# Altium PCB S6 V1.2.PcbDoc (part 1 of 3) (continued)
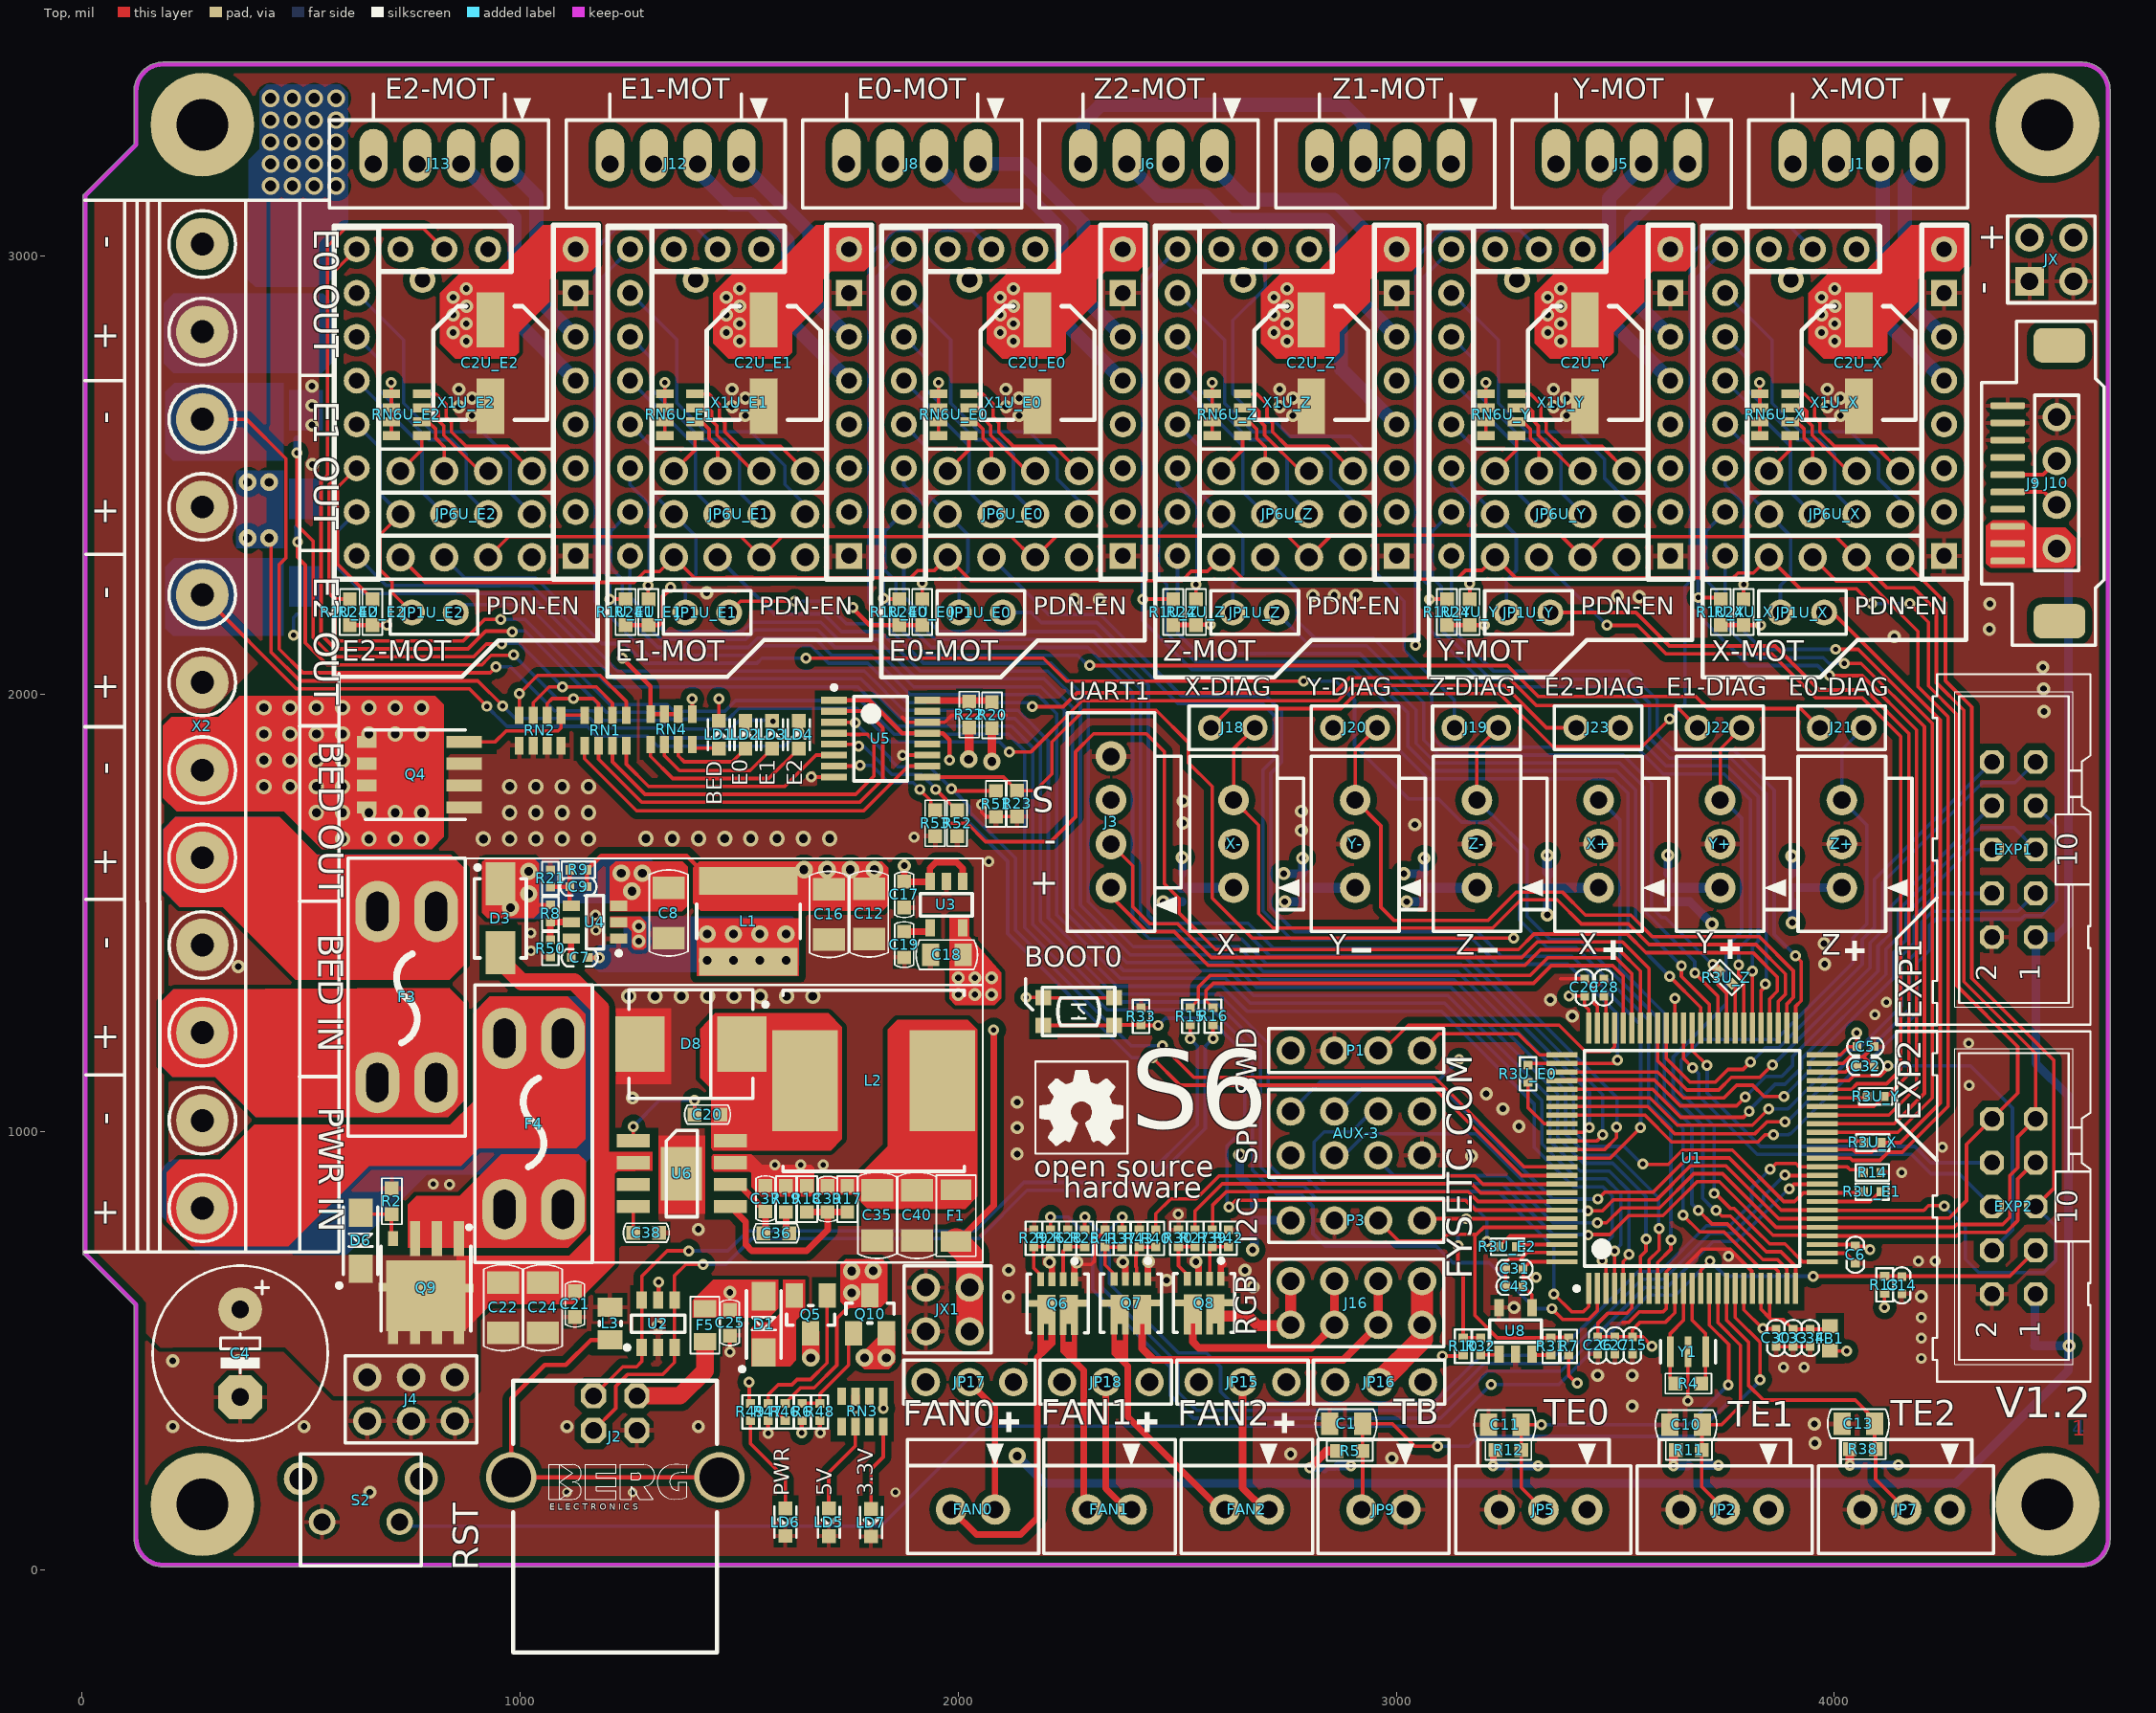
[diagram p0: Top view]
## Footprints (in the part's own frame and the unit in brackets; to place one, negate y for a bottom-side part, rotate by r counter-clockwise, add the part's x,y. Pads: shape width x height; smd on the part's side, far side on the other; paste and mask are expansions set on the pad) (continued)
  silkscreen extent -1.27,-1.27 8.89,3.81, body extent -1.27,-1.25 8.79,3.79, height 8.3
"HEADER 3x4" [mm]
  round 1.65 hole 1.02: 1(0,-2.5) 2(2.54,-2.5) 3(5.08,-2.5) 4(7.62,-2.5) 5(0,-5) 6(2.54,-5) 7(5.08,-5) 8(7.62,-5) 9(0,0) 10(2.54,0) 11(5.08,0) 12(7.62,0)
  silkscreen extent -1.27,-6.27 8.89,1.27, body extent -1.27,-6.25 8.79,1.25, height 8.3
Jumper2 [mm]
  rect 0.6x1 smd: 1(-0.838,0) 2(0,0)
  silkscreen extent -1.37,-0.74 0.53,0.74
L0603 [mm] "Chip Inductor, Body 1.6x0.8mm, IPC High Density"
  rect 0.8x0.9 smd: 1(-0.7,0) 2(0.7,0)
  silkscreen extent -0.21,-0.5 0.21,0.5, body extent -0.81,-0.4 0.79,0.4, height 0.6
L0805 [mm]
  rect 1.1x1.45 smd: 1(-0.95,0) 2(0.95,0)
  silkscreen extent -0.13,-0.64 0.13,0.64, body extent -1,-0.6 1,0.65, height 0.44
LED0603 [mm]
  rect 0.8x0.8 smd: 1(0,0.8) 2(0,-0.8)
  silkscreen extent -0.64,-0.89 0.64,0.89, body extent -0.37,-0.81 0.36,0.84, height 0.68
NRS6045 [mm]
  rect 1.6x5.7 smd: 1(-2.35,0) 2(2.35,0)
  silkscreen extent -1,-3 1,3, body extent -3,-3 3,3, height 4.5
NXP_LFPAK56 [mm] "NXP LFPAK 5x6 mm"
  rect 0.7x2.032 smd paste-0.05: 1(-1.905,-2.825) 2(-0.635,-2.825) 3(0.635,-2.825) 4(1.905,-2.825)
  rect 0.7x1.15 smd paste-0.05: 5(1.905,2.825) 6(0.635,2.825) 7(-0.635,2.825) 8(-1.905,2.825)
  Top region: -2.35,1.9 -2.1,1.9 -2.1,-1.2 2.1,-1.2 2.1,1.9 2.35,1.9 2.35,3.4 -2.35,3.4
  silkscreen extent -2.6,-2.9 2.6,2.9, body extent -2.45,-3.2 2.45,3.22, height 1.2
PAD-JUMPER-3-2OF3_NC_BY_PASTE_YES_SILK_FULL_BOX [mil]
  rect 25x50 smd: 1(-32,0) 2(0,0) 3(32,0)
  silkscreen extent -60,-40 60,40
POWEREDI5 [mm]
  rect 1.4x1.39 smd: 1(-2.8,-0.985) 1(-2.8,0.985)
  rect 4.86x3.36 smd: 2(1.174,0)
  silkscreen extent -2.92,-2.05 3.3,2.29, body extent -3.3,-2.02 3.3,2.02, height 1.15
"RCL_E5-10,5 - 1/2" [mil]
  round 100 hole 40: 1(-100,0)
  oct 100x100 hole 40: 2(100,0)
  silkscreen extent -200,-200 200,200, body extent -197,-197 197,197, height 512
RES0402 [mm]
  rect 0.5x0.54 smd: 1(-0.5,0) 2(0.5,0)
  silkscreen extent -0.97,-0.48 0.97,0.48, body extent -0.5,-0.25 0.5,0.25, height 0.5
RES0603#1 [mm]
  rect 0.8x0.8 smd mask+0.1: 1(-0.75,0) 2(0.75,0)
  silkscreen extent -1.33,-0.58 1.33,0.58, body extent -0.8,-0.4 0.8,0.4, height 0.45
RES0603#2 [mm]
  rect 0.8x0.8 smd: 1(-0.75,0) 2(0.75,0)
  silkscreen extent -1.33,-0.58 1.33,0.58, body extent -0.8,-0.4 0.8,0.4, height 0.45
RES0805 [mm]
  rect 1x1.3 smd: 1(-0.958,0) 2(0.958,0)
  silkscreen extent -1.65,-0.84 1.65,0.84, body extent -1.03,-0.62 0.97,0.63, height 0.44
RES1206 [mm]
  rect 1.2x1.8 smd: 1(-1.5,0) 2(1.5,0)
  silkscreen extent -2.35,-1.15 2.35,1.15, body extent -1.6,-0.8 1.6,0.8, height 0.55
RESISTOR-DIL_CAY16 [mil]
  rect 20x40 smd: 1(-47.24,-34.45) 2(-15.75,-34.45) 3(16,-34.45) 4(48,-34.45) 5(48,35) 6(16,35) 7(-15.75,35) 8(-47.24,35)
  body extent -66,-35 66,34, height 24
SMC/DO-214AB [mm] "Molded Diode, 2-Leads, Body 6.85x5.90mm, IPC Low Density"
  rect 2.85x3.2 smd: 1(-2.95,0) 2(2.95,0)
  silkscreen extent -3.6,-3.15 4.44,3.15, body extent -3.77,-3.11 3.77,3.11, height 2.5
"SO8_WITH PAD" [mil]
  rect 75x30 smd: 1(-110.24,75) 2(-110.24,25) 3(-110.24,-25) 4(-110.24,-75) 5(111.22,-75) 6(111.22,-25) 7(111.22,25) 8(111.22,75)
  rect 94.49x122.05 smd: 9(-0.98,0)
  silkscreen extent -35,-98 35,98, body extent -118,-96 118,96, height 69
SOD123 [mm] "Molded Diode, 2-Leads, Body 3.70x1.70mm, IPC Medium Density"
  rect 1.65x1.4 smd: 1(1.625,0) 2(-1.625,0)
  silkscreen extent -2.72,-1 1.95,1.37, body extent -2.17,-1 2.17,1, height 1.35
SOT23-3 [mm] "SOT23, 3-Leads, Body 2.9x1.3mm, Pitch 0.95mm, Lead Span 2.5mm, IPC High Density"
  rect 1x1.4 smd: 1(0.95,1.1) 2(-0.95,1.1) 3(0,-1.1)
  silkscreen extent -1.4,-0.64 1.4,0.51, body extent -1.44,-1.45 1.46,1.35, height 1.07
SOT23-5 [mm] "SOT23, 3-Leads, Body 2.9x1.3mm, Pitch 0.95mm, Lead Span 2.5mm, IPC High Density"
  rect 0.55x1 smd: 1(-0.95,-1.35) 2(0,-1.35) 3(0.95,-1.35) 4(0.95,1.35) 5(-0.95,1.35)
  silkscreen extent -1.5,-0.65 1.5,0.65, body extent -1.4,-1.5 1.5,1.3, height 1.24
SOT23-6N [mm]
  rect 1x0.6 smd: 1(-1.375,0.95) 2(-1.375,0) 3(-1.375,-0.95) 4(1.375,-0.95) 5(1.375,0) 6(1.375,0.95)
  silkscreen extent -1.5,-1.55 0.5,1.92, body extent -1.5,-1.53 1.5,1.53, height 1.45
SSOP16 [mm]
  rect 1.5x0.4 smd: 1(-2.7,2.222) 2(-2.7,1.587) 3(-2.7,0.953) 4(-2.7,0.318) 5(-2.7,-0.318) 6(-2.7,-0.953) 7(-2.7,-1.587) 8(-2.7,-2.222) 9(2.7,-2.222) 10(2.7,-1.587) 11(2.7,-0.953) 12(2.7,-0.318) 13(2.7,0.318) 14(2.7,0.953) 15(2.7,1.587) 16(2.7,2.222)
  silkscreen extent -2.82,-2.45 1.55,3.1, body extent -3,-2.45 3,2.45, height 1.75
TMC_breakout [mm]
  round 1.51 hole 0.9: 1(0,0) 2(2.54,0) 3(5.08,0) 4(7.62,0) 5(10.16,0) 6(12.7,0) 7(15.24,0) 8(17.78,0) 10(15.24,12.7) 11(12.7,12.7) 12(10.16,12.7) 13(7.62,12.7) 14(5.08,12.7) 16(0,12.7) 17(0,2.54) 18(0,7.62) 18(1.778,3.81) 19(0,5.08)
  rect 1.51x1.51 hole 0.9: 9(17.78,12.7) 15(2.54,12.7)
  silkscreen extent -1.4,-1.3 19.13,14, body extent -1.27,-1.21 19.05,13.89, height 8.5
TSQFP50P1600X1600X120-100N [mm]
  rect 1.8x0.3 smd: 1(-7.55,6) 2(-7.55,5.5) 3(-7.55,5) 4(-7.55,4.5) 5(-7.55,4) 6(-7.55,3.5) 7(-7.55,3) 8(-7.55,2.5) 9(-7.55,2) 10(-7.55,1.5) 11(-7.55,1) 12(-7.55,0.5) 13(-7.55,0) 14(-7.55,-0.5) 15(-7.55,-1) 16(-7.55,-1.5) 17(-7.55,-2) 18(-7.55,-2.5) 19(-7.55,-3) 20(-7.55,-3.5) 21(-7.55,-4) 22(-7.55,-4.5) 23(-7.55,-5) 24(-7.55,-5.5) 25(-7.55,-6) 51(7.55,-6) 52(7.55,-5.5) 53(7.55,-5) 54(7.55,-4.5) 55(7.55,-4) 56(7.55,-3.5) 57(7.55,-3) 58(7.55,-2.5) 59(7.55,-2) 60(7.55,-1.5) 61(7.55,-1) 62(7.55,-0.5) 63(7.55,0) 64(7.55,0.5) 65(7.55,1) 66(7.55,1.5) 67(7.55,2) 68(7.55,2.5) 69(7.55,3) 70(7.55,3.5) 71(7.55,4) 72(7.55,4.5) 73(7.55,5) 74(7.55,5.5) 75(7.55,6)
  rect 0.3x1.8 smd: 26(-6,-7.55) 27(-5.5,-7.55) 28(-5,-7.55) 29(-4.5,-7.55) 30(-4,-7.55) 31(-3.5,-7.55) 32(-3,-7.55) 33(-2.5,-7.55) 34(-2,-7.55) 35(-1.5,-7.55) 36(-1,-7.55) 37(-0.5,-7.55) 38(0,-7.55) 39(0.5,-7.55) 40(1,-7.55) 41(1.5,-7.55) 42(2,-7.55) 43(2.5,-7.55) 44(3,-7.55) 45(3.5,-7.55) 46(4,-7.55) 47(4.5,-7.55) 48(5,-7.55) 49(5.5,-7.55) 50(6,-7.55) 76(6,7.55) 77(5.5,7.55) 78(5,7.55) 79(4.5,7.55) 80(4,7.55) 81(3.5,7.55) 82(3,7.55) 83(2.5,7.55) 84(2,7.55) 85(1.5,7.55) 86(1,7.55) 87(0.5,7.55) 88(0,7.55) 89(-0.5,7.55) 90(-1,7.55) 91(-1.5,7.55) 92(-2,7.55) 93(-2.5,7.55) 94(-3,7.55) 95(-3.5,7.55) 96(-4,7.55) 97(-4.5,7.55) 98(-5,7.55) 99(-5.5,7.55) 100(-6,7.55)
  silkscreen extent -7.67,-6.25 6.25,6.82, body extent -8.01,-8.01 8.01,8.01, height 1.1

## Part data
AUX-3 J16: "Header, 4-Pin, Dual row", LatestRevisionDate=17-Jul-2002, LatestRevisionNote="Re-released for DXP Platform.", Publisher="Altium Limited"
C1 C7 C9 C10 C11 C12 C13 C14 C16 C17 C18 C19 C20 C21 C22 C24 C26 C27 C28 C32 C34 C35 C36 C37 C38 C39 C40 C43: library part Library_CAP-0008, "RO C0G 22pF 2% 50V  0603", Faber ItemCode=35321100, ID=Library_CAP-0008
C2U_E0 C2U_E1 C2U_E2 C2U_X C2U_Y C2U_Z C8: library part Capacitor
C4: library part Library_CAP-0004, "RO ELCO 100uF 20% 35V CASE-D EEEFP PAN", Faber ItemCode=36865800, ID=Library_CAP-0004
C5 C6 C15 C25 C29 C30 C31 C33: library part Library_CAP-0002, "RO X7R 100nF 10% 50V 0603", Faber ItemCode=45068500, ID=Library_CAP-0002
D1: "RO DIODE S1G DO-214AC", Faber ItemCode=32284000, ID=Library_DIO-0001, Info="Fast Rectifiers 1A 400V"
D3 D8: library part Diode, "Default Diode", Code_JEDEC=DO-214-AB, LatestRevisionDate=17-Jul-2002, LatestRevisionNote="Re-released for DXP Platform.", PackageDescription="DO-214-AB/SMC; 2 C-Bend Leads; Body 7.9 x 5.9 mm, inc. leads (LxW)", PackageReference=SMC, PackageVersion=Sep-1996, Published=8-Jun-2000, Publisher="Altium Limited"
D6 D10: "RO DIODE SSB44-E3/52T SMB VISHAY", Faber ItemCode=36925500, ID=Library_DIO-0003, Info="High-Current Density Surface Mount Schottky Rectifier", Mfg=VISHAY, Mfg code=SSB44-E3/52T
EXP1 EXP2: "Header, 5-Pin, Dual row", LatestRevisionDate=17-Jul-2002, LatestRevisionNote="Re-released for DXP Platform.", Publisher="Altium Limited"
F1 F3 F4: library part "Fuse 2", "Fuse", LatestRevisionDate=17-Jul-2002, LatestRevisionNote="Re-released for DXP Platform.", PackageDescription="Thru-Hole; 2 Leads", PackageReference=PIN-W2/E2.8, Published=8-Jun-2000, Publisher="Altium Limited"
F5: library part Library_FUSE-0001, "RO ZEK MULTI 500MA SMD 1812 MF-MSMF050-2 BOURNS", Faber ItemCode=35502800, ID=Library_FUSE-0001, Info="MULTIFUSE, SMD, 0.5A", Mfg=BOURNS, Mfg code=MF-MSMF050-2
FAN0 FAN1 FAN2 J18 J19 J20 J21 J22 J23 JP1U_E0 JP1U_E1 JP1U_E2 JP1U_X JP1U_Y JP1U_Z JP4 JP9 JP11 JP12 JP13 JP14: "Header, 2-Pin", LatestRevisionDate=17-Jul-2002, LatestRevisionNote="Re-released for DXP Platform.", Publisher="Altium Limited"
FB1: library part FERRITE_120R-100MHz_0603, "FERRITE BEAD 120 OHM 0603 1LN", Current=900mA, Current Rating=2A, DC Resistance (DCR)="172.9 mOhm Max", Frequency - Self Resonant=23MHz, Frequency - Test=100kHz, Impedance @ Frequency="120 Ohm @ 100MHz", Manufacturer 1="Murata Electronics North America", Manufacturer Part Number 1=BLM18PG121SN1D, Operating Temperature="-40°C ~ 105°", Package / Case="1210 (3225 Metric)", Ratings="2 A; 50 mO DC", Supplier Part Number 1=490-1037-1-ND, Applications="Power Supplies", ComponentLink1Description=http://www.yuden.co.jp/ut/product/pdf/wound02_e.pdf, ComponentLink1URL=http://www.yuden.co.jp/ut/product/pdf/wound02_e.pdf, ComponentLink2Description=http://search.murata.co.jp/Ceramy/image/img/PDF/ENG/L0110S0100BLM18P.pdf, ComponentLink2URL=http://search.murata.co.jp/Ceramy/image/img/PDF/ENG/L0110S0100BLM18P.pdf, Current - Saturation=900mA, Current - Temperature Rise=900mA, Filter Type="Differential Mode - Single", Height (Max)="0.037\" (0.95mm)", Mounting Type="Surface Mount", Note="Approved sub OK", Number of Lines=1, SCDType=source, Size / Dimension="0.063\" L x 0.031\" W (1.60mm x 0.80mm)", Supplier 1=Digi-Key
J1 J5 J6 J7 J8 J12 J13: library part "Header 4", "Header, 4-Pin", LatestRevisionDate=17-Jul-2002, LatestRevisionNote="Re-released for DXP Platform.", Publisher="Altium Limited"
J2: library part CON-BERG_PN61729-S, OC_FARNELL=unknown, OC_NEWARK=unknown
J3 J10 P1 P3: "Header, 4-Pin", LatestRevisionDate=17-Jul-2002, LatestRevisionNote="Re-released for DXP Platform.", Publisher="Altium Limited"
J4: "Header, 3-Pin, Dual row", LatestRevisionDate=17-Jul-2002, LatestRevisionNote="Re-released for DXP Platform.", Publisher="Altium Limited"
J9: "Header, 10-Pin", LatestRevisionDate=17-Jul-2002, LatestRevisionNote="Re-released for DXP Platform.", Publisher="Altium Limited"
JP2 JP5 JP7 JP15 JP16 JP17 JP18 X+ X- Y+ Y- Z+ Z-: "Header, 3-Pin", LatestRevisionDate=17-Jul-2002, LatestRevisionNote="Re-released for DXP Platform.", Publisher="Altium Limited"
JX JX1: "Header, 2-Pin, Dual row", LatestRevisionDate=17-Jul-2002, LatestRevisionNote="Re-released for DXP Platform.", Publisher="Altium Limited"
L1 L2: library part Inductor, "Inductor", Code_IEC=1005, Code_JEITA=0402, LatestRevisionDate=29-May-2009, LatestRevisionNote="IPC-7351 Footprint Added.", PackageDescription="Chip Inductor", PackageReference=0402-A, Published=8-Jun-2000, Publisher="Altium Limited"
L3: library part Library_COIL-0001, "RO FERRIET BLM21PG221SN1D  0805", Faber ItemCode=36571200, ID=Library_COIL-0001
Q1 Q2 Q3 Q4: "IRF8736PBF - MOSFET, N SO-8", Faber ItemCode=36926000, ID=LIBRARY_FET-0002, Info="HEXFET Power MOSFET", Mfg="INTERNATIONAL RECTIFIER", Mfg code=IRF8736PBF
Q6 Q7 Q8: library part IRF7103, "HEXFET Power MOSFET", Code_IPC=SOIC127P600-8, Code_JEDEC=MS-012-AA, ComponentLink1Description="Manufacturer Link", ComponentLink1URL=http://www.irf.com/, ComponentLink2Description=Datasheet, ComponentLink2URL=http://www.irf.com/product-info/datasheets/data/irf7103.pdf, DatasheetVersion=Aug-1997, LatestRevisionDate=13-Apr-2006, LatestRevisionNote="IPC-7351 Footprint Added.", PackageDescription="8-Pin Plastic Small Outline Integrated Circuit 1.27 mm Pitch", PackageReference=SO-8, PackageVersion=Feb-2001, Published=8-Jun-2000, Publisher="Altium Limited"
Q9: library part SI7157DP, "PFET Power SO8", Manufacturer=Vishay, Temp_ Max=150, Temp_ Min=-55, ID=60A, OrderingCode=SI7157DP-T1-GE3, Part Number=SI7157DP, Price (€)=0,605, Vds=20V, Vgss=12V
R1U_E0 R1U_E1 R1U_E2 R1U_X R1U_Y R1U_Z R3U_E0 R3U_E1 R3U_E2 R3U_X R3U_Y R3U_Z R24U_E0 R24U_E1 R24U_E2 R24U_X R24U_Y R24U_Z: "RO RES 1k0 1% 0,1W  0603", Faber ItemCode=34637900, ID=Library_RES-0004, Info=Resistor
R2 R5 R7 R9 R10 R11 R12 R13 R17 R18 R19 R20 R21 R22 R23 R31 R32 R33 R38 R51 R52 R53: library part Library_RES-0001, "RO RES 10k0 1% 0,063W  0603", Faber ItemCode=36084500, ID=Library_RES-0001, Info=Resistor
R4: library part Library_RES-0003, "RO RES 1M0 1% 0,1W 0603", Faber ItemCode=36059900, ID=Library_RES-0003, Info=Resistor
R6 R14 R15 R16 R46 R47 R48: library part Library_RES-0007, "RO RES 22E0 1% 0,063W 0603", Faber ItemCode=36108300, ID=Library_RES-0007, Info=Resistor
R8 R25 R26 R27 R28 R29 R30 R37 R39 R40 R41 R42 R43 R50: library part Resistor
R49: library part Library_RES-0004, "RO RES 1k0 1% 0,1W  0603", Faber ItemCode=34637900, ID=Library_RES-0004, Info=Resistor
RN1 RN2 RN3 RN4: library part RESISTOR-DIL_4R-NCAT16, OC_FARNELL=unknown, OC_NEWARK=unknown
RN6U_E0 RN6U_E1 RN6U_E2 RN6U_X RN6U_Y RN6U_Z: library part RESISTOR-DIL_4R-NCAY16, OC_FARNELL=unknown, OC_NEWARK=unknown
S2: library part SW-PB, "SWITCH TACTILE SPST-NO 0.05A 12V", Supplier Part Number 1=679-2396-1-ND, Note="Approved sub OK", Supplier 1=Digi-Key
U1: "Imported", Manufacturer_Part_Number=stm32f4xxv1, C="Copyright (C) 2016 Accelerated Designs. All rights reserved", Copyright="Copyright (C) 2016 Accelerated Designs. All rights reserved", RefDes=RefDes, Type=Type, Vendor=STMicroelectronics
U3: library part RT9193-XXXX
U8: library part "EEPROM - Serial I2C", "IC EEPROM 16K I2C SOT23-5", Note=DNP, Supplier 1=Digi-Key, Supplier Part Number 1=24LC16BT-I/OTCT-ND
X1U_E0 X1U_E1 X1U_E2 X1U_X X1U_Y X1U_Z: library part TMC_BREAKOUT
X2: library part CON-PHOENIX-508_MKDSN1,5/12-5,08, MPN=SMKDSN1,5/10-5,08, OC_FARNELL=1792913, OC_NEWARK=70R0297
Y1: library part XTAL-3, "RO KRIS 16MHz CSTCE16M0V53-R0 SMD MURATA", Faber ItemCode=36925600, ID=LIBRARY_XTAL-0002, Info="Build in cap", Mfg=MURATA, Mfg code=CSTCE16M0V53-R0

## Free pads (board coordinates)
  round 236.22 hole 118.11: 4(274.41,150) 5(274.41,3299.61) 6(4487.01,3299.61) 7(4487.01,150)

## Via types
v1: diameter 25, hole 12, Top to Bottom, tented both sides, 192 vias
v2: diameter 30, hole 15, Top to Bottom, tented both sides, 157 vias
v3: diameter 35, hole 20, Top to Bottom, tented both sides, 60 vias
v4: diameter 40, hole 20, Top to Bottom, tented both sides, 31 vias
v5: diameter 40, hole 25, Top to Bottom, tented both sides, 20 vias
v6: diameter 22, hole 12, Top to Bottom, tented both sides, 3 vias

## Nets (pads, with @x,y where several pads share a name; then routed paths per layer and width w, separated by ;. In a path a pad name is that pad's centre, name@x,y a point inside that pad or via, vN(x,y) a via of type N, cw(c..) or ccw(c..) an arc to the next point about the centre after c; other vN are vias at no path point)
1AU_E0: J8.3 X1U_E0.12 | length 985
  GND w32: J8.3@1845,3210.32 1922.32,3133 2212.61,3133 2285.9,3059.71 2285.9,2705.32 X1U_E0.12@2375.9,2615.32
1AU_E1: J12.3 X1U_E1.12 | length 900
  GND w32: J12.3@1305,3210.32 1377.32,3138 1582.61,3138 1660.9,3059.71 1660.9,2705.32 X1U_E1.12@1750.9,2615.32
1AU_E2: J13.3 X1U_E2.12 | length 822.9
  GND w32: J13.3@765,3210 765,3198 824,3139 954.4,3139 976.4,3117 979.61,3117 1036.9,3059.71 1036.9,2705.32 X1U_E2.12@1126.9,2615.32
1AU_X: J1.3 X1U_X.12 | length 696.5
  GND w32: J1.3@4005,3210 4160.9,3054.1 4160.9,2705.32 X1U_X.12@4250.9,2615.32
1AU_Y: J5.3 X1U_Y.12 | length 661.6
  GND w32: J5.3@3465,3210.32 3535.9,3139.42 3535.9,2705.32 X1U_Y.12@3625.9,2615.32
1AU_Z: J6.3 X1U_Z.12 | length 1039.9
  Bottom w32: J6.3@2385,3210 2458,3137 2563.6,3137 2618.6,3082 2837.6,3082 2874,3045.6 2874,2742.22 X1U_Z.12@3000.9,2615.32
1BU_E0: J8.4 X1U_E0.11 | length 1150.2
  GND w32: J8.4@1745,3210.32 1864.32,3091 2195.22,3091 2235.9,3050.32 2235.9,2655.32 X1U_E0.11@2375.9,2515.32
1BU_E1: J12.4 X1U_E1.11 | length 1072.4
  GND w32: J12.4@1205,3210.32 J12.4@1205,3210 1205,3198 1307.31,3095.69 1565.53,3095.69 1610.9,3050.32 1610.9,2656.9 1750.9,2516.9 X1U_E1.11@1750.9,2515.32
1BU_E2: J13.4 X1U_E2.11 | length 985.2
  GND w32: J13.4@665,3210 665,3199.73 767.73,3097 937,3097 986.9,3047.1 986.9,2658.1 1126.9,2518.1 X1U_E2.11@1126.9,2515.32
1BU_X: J1.4 X1U_X.11 | length 855.5
  GND w32: J1.4@3905,3210 4009.68,3105.32 4039.7,3105.32 4110.9,3034.11 4110.9,2655.32 X1U_X.11@4250.9,2515.32
1BU_Y: J5.4 X1U_Y.11 | length 803.1
  GND w32: J5.4@3365,3210.32 3485.9,3089.42 3485.9,2655.32 X1U_Y.11@3625.9,2515.32
1BU_Z: J7.4 X1U_Z.11 | length 767.5
  GND w32: J7.4@2825,3210 2875,3160 2875,2641.22 X1U_Z.11@3000.9,2515.32
2AU_E0: J8.2 X1U_E0.13 | length 755.3
  Bottom w32: J8.2@1945,3210.32 2017.32,3138 2157,3138 2235.9,3059.1 2235.9,2855.32 X1U_E0.13@2375.9,2715.32
2AU_E1: J12.2 X1U_E1.13 | length 664.6
  Bottom w32: J12.2@1405,3210.32 J12.2@1405,3210 1405,3195 1482.2,3117.8 1527.22,3117.8 1610.9,3034.11 1610.9,2855.32 X1U_E1.13@1750.9,2715.32
2AU_E2: J13.2 X1U_E2.13 | length 603.2
  Bottom w32: J13.2@865,3210 986.9,3088.1 986.9,2855.32 X1U_E2.13@1126.9,2715.32
2AU_X: J1.2 X1U_X.13 | length 555.1
  Bottom w32: J1.2@4105,3210 4110.9,3204.1 4110.9,2855.32 X1U_X.13@4250.9,2715.32
2AU_Y: J5.2 X1U_Y.13 | length 585.8
  Bottom w32: J5.2@3565,3210.32 3485.9,3131.22 3485.9,2855.32 X1U_Y.13@3625.9,2715.32
2AU_Z: J7.2 X1U_Z.13 | length 567.5
  GND w32: X1U_Z.13@3000.9,2715.32 2925,2791.22 2925,3110 J7.2@3025,3210
2BU_E0: J8.1 X1U_E0.14 | length 593.4
  Bottom w32: J8.1@2045,3210.32 2149.68,3210.32 2285.9,3074.1 2285.9,2905.32 X1U_E0.14@2375.9,2815.32
2BU_E1: J12.1 X1U_E1.14 | length 496.9
  Bottom w32: J12.1@1505,3210.32 1660.9,3054.42 1660.9,2905.32 X1U_E1.14@1750.9,2815.32
2BU_E2: J13.1 X1U_E2.14 | length 461.7
  Bottom w32: J13.1@965,3210 1036.9,3138.1 1036.9,2905.32 X1U_E2.14@1126.9,2815.32
2BU_X: J1.1 X1U_X.14 | length 450.2
  Bottom w32: J1.1@4205,3210 4160.9,3165.9 4160.9,2905.32 X1U_X.14@4250.9,2815.32
2BU_Y: J5.1 X1U_Y.14 | length 485.8
  Bottom w32: X1U_Y.14@3625.9,2815.32 3535.9,2905.32 3535.9,3081.22 J5.1@3665,3210.32
2BU_Z: J6.1 X1U_Z.14 | length 684.1
  Bottom w32: J6.1@2585,3210 2585,3201 2658,3128 2858,3128 2924,3062 2924,2892.22 X1U_Z.14@3000.9,2815.32
2130_CSU_E0: JP6U_E0.11 U1.88 | length 2664.4
  Top w8: U1.88@3378.39,940 3487.67,940 v1(3558,1010.33)
  Bottom w8: JP6U_E0.11@2075.9,2311.89 2206.79,2181 2324.46,2181 2509.46,1996 2702.46,1996 2738.53,1959.93 2738.53,1843.82 2713.74,1819.03 2713.74,1512.55 2768.6,1457.69 3184.66,1457.69 3240.91,1401.43 3401.35,1401.43 3558,1244.78 v1(3558,1010.33)
2130_CSU_E1: JP6U_E1.11 U1.8 | length 3297.6
  Top w8: U1.8@3577.2,642.76 3577.2,708.04 3600,730.83 v1(3600,780)
  Bottom w8: JP6U_E1.11@1450.9,2311.89 1579.79,2183 1693,2183 1733.53,2142.47 1823.11,2142.47 1836.66,2128.92 1843.04,2122.5 ; 1843.08,2122.5 1913.11,2052.47 2204.07,2052.47 2279,1977.54 2279,1518.08 2392.19,1404.88 2632.3,1404.88 2689.18,1348 3132.85,1348 3386.74,1094.11 3386.74,995.37 3435.11,947 3501.7,947 3599,849.7 3599,781 v1(3600,780)
2130_CSU_E2: JP6U_E2.11 U1.9 | length 3992.3
  Top w8: v1(1653,2081.89) 2194.51,2081.89 2247.3,2029.1 v1(2788.74,2029.1) ; U1.9@3596.89,642.76 3596.89,702.1 3627,732.21 v1(3627,754)
  Bottom w8: JP6U_E2.11@826.9,2311.89 873.26,2265.53 907.53,2265.53 907.65,2265.41 946.15,2265.41 946.27,2265.53 1007.53,2265.53 1007.65,2265.41 1035.5,2265.41 1185.91,2115 1239,2115 1283.53,2070.47 1540.67,2070.47 1552.09,2081.89 v1(1653,2081.89) ; v1(2788.74,2029.1) 2861.9,2029.1 2905,1986 2905,1883 3027,1761 3095.74,1761 3149.05,1707.69 3210.31,1707.69 3281,1637 3281,1484.48 3344.48,1421 3410.51,1421 3576,1255.51 3576,1061.77 3627,1010.77 v1(3627,754)
2130_CSU_X: JP6U_X.11 U1.38 | length 1762.9
  Top w8: JP6U_X.11@3950.9,2311.89 4004.97,2257.82 4058.63,2257.82 4058.67,2257.78 4076.22,2257.78 4190.9,2143.1 4190.9,2016.83 4260,1947.73 4260,1059 4155,954 4123.15,954 4104.45,935.3 4041.54,935.3 4036.85,940 U1.38@3972.87,940
2130_CSU_Y: JP6U_Y.11 U1.46 | length 1954.7
  Top w8: v1(3481,2156.79) 3550.75,2156.79 3616,2091.54 3857.46,2091.54 3958,1991 4064,1991 4152,1903 4152,1142.8 4119.36,1110.16 4052,1110.16 4039.32,1097.48 U1.46@3972.87,1097.48
  Bottom w8: JP6U_Y.11@3325.9,2311.89 v1@3481.79,2156
2130_CSU_Z: JP6U_Z.11 U1.57 | length 1969.5
  Top w8: v1(3782,1382) 3782,1358.46 3793.74,1346.72 U1.57@3793.74,1237.24
  Bottom w8: JP6U_Z.11@2700.9,2311.89 2773,2239.79 2773,2168 2813,2128 2946.81,2128 3081,1993.81 3081,1902.44 3104.74,1878.69 3548.26,1878.69 3609.26,1817.69 3748.98,1817.69 3808.75,1757.93 3808.75,1445.93 3782,1419.18 v1(3782,1382)
2208_RXU_E0: JP1U_E0.2 R3U_E0.1 U1.77 | length 2388.6
  Top w8: R3U_E0.1@3301,1152.68 3304.85,1156.54 U1.77@3378.39,1156.54 v1@3502.54,1156.54
  Bottom w8: JP1U_E0.2@2102,2186 2166.97,2186 2189.97,2163 2317,2163 2502,1978 2695,1978 2720.53,1952.47 2720.53,1851.28 2695.74,1826.49 2695.74,1505.09 2761.15,1439.69 3175,1439.69 3231.26,1383.43 3391.37,1383.43 3505,1269.8 v1(3505,1164)
2208_RXU_E1: JP1U_E1.2 R3U_E1.1 U1.34 | length 3531.3
  Top w8: JP1U_E1.2@1477,2186 1503,2212 v1(1626.86,2212) ; v1@3563,926 3620.64,926 3653.44,958.79 3767.51,958.79 3884.74,841.55 3909.55,841.55 3929.26,861.26 U1.34@3972.87,861.26 4064.06,861.26 R3U_E1.1@4066.8,864
  Bottom w8: v1(1626.86,2212) 1693.13,2212 1744.66,2160.47 1830.56,2160.47 1920.56,2070.47 2211.53,2070.47 2297,1985 2297,1525.53 2399.65,1422.88 2639.75,1422.88 2696.64,1366 3140.3,1366 3404.74,1101.56 3404.74,1002.82 3440.56,967 3520.52,967 3560.52,927 v1(3563,927)
2208_RXU_E2: JP1U_E2.2 R3U_E2.1 U1.97 | length 3577.4
  Top w8: v1(3207,750.5) 3219.5,738 R3U_E2.1@3234.31,738 3259.15,762.83 U1.97@3378.39,762.83
  Bottom w8: JP1U_E2.2@853,2186 871.28,2204.28 1015.72,2204.28 1203.97,2016.03 1249.18,2016.03 1249.63,2016.47 1318.33,2016.47 1318.77,2016.03 1771.32,2016.03 1790.85,1996.5 1827.5,1959.89 ; 1827.5,1959.85 1860.88,1926.47 2121.53,1926.47 2170,1878 2170,1474.34 2347.46,1296.88 2587.56,1296.88 2644.45,1240 2689.59,1194.87 2689.59,1194.08 2690,1193.67 2690,920.4 2733.66,876.74 2789.23,876.74 2819.46,846.52 3161.27,846.52 3207,800.79 v1(3207,750.5)
2208_RXU_X: JP1U_X.2 R3U_X.1 U1.39 | length 1559.2
  Top w8: U1.39@3972.87,959.69 4042.62,959.69 4049,953.3 4084.74,953.3 R3U_X.1@4107.37,975.93 4151.48,975.93 4242,1066.46 4242,1940.28 3996.28,2186 JP1U_X.2@3977,2186
2208_RXU_Y: JP1U_Y.2 R3U_Y.1 U1.44 | length 1940.7
  Top w8: JP1U_Y.2@3352,2186 3547,2186 3623.46,2109.54 3864.91,2109.54 3965.46,2009 4071.46,2009 4170,1910.46 4170,1131.21 R3U_Y.1@4119.31,1080.53 ; U1.44@3972.87,1058.11 4090.87,1058.11 R3U_Y.1@4114.21,1081.46 ; R3U_Y.1@4114.65,1077.8 R3U_Y.1@4119.31,1082.46
2208_RXU_Z: JP1U_Z.2 R3U_Z.1 U1.59 | length 1702.9
  Top w8: v1@3723,1381.48 v1(3723,1383) ; R3U_Z.1@3735.08,1369.4 3735.08,1335.92 3754.37,1316.63 U1.59@3754.37,1237.24
  Top w20: v1@3723,1381.48 R3U_Z.1@3735.08,1369.4
  Bottom w8: JP1U_Z.2@2727,2186 2803,2110 2933,2110 3063,1980 3063,1894.98 3097.29,1860.69 3518.31,1860.69 3574,1805 3574,1804.37 3582.95,1795.42 3582.95,1513.06 3606.01,1490 3614.48,1490 3721.48,1383 v1(3723,1383)
2208_TXU_E0: R3U_E0.2 U1.84 | length 150.5
  Top w8: R3U_E0.2@3301,1113.32 3301,1055.46 3337.72,1018.74 U1.84@3378.39,1018.74
2208_TXU_E1: R3U_E1.2 U1.33 | length 142.9
  Top w8: U1.33@3972.87,841.58 3972.87,841.37 4081.61,841.37 4104.24,864 R3U_E1.2@4106.17,864
2208_TXU_E2: R3U_E2.2 U1.98 | length 108.7
  Top w8: R3U_E2.2@3272.45,736.5 3279.1,743.15 U1.98@3378.39,743.15
2208_TXU_X: R3U_X.2 U1.40 | length 96.5
  Top w8: U1.40@3972.87,979.37 4064.56,979.37 R3U_X.2@4068,975.93
2208_TXU_Y: R3U_Y.2 U1.45 | length 103.5
  Top w8: U1.45@3972.87,1077.8 4071.18,1077.8 R3U_Y.2@4074.84,1081.46
2208_TXU_Z: R3U_Z.2 U1.58 | length 107.5
  Top w8: R3U_Z.2@3763.92,1340.56 3774.05,1330.42 U1.58@3774.05,1237.24